# KiCad board Sofle_Loud.kicad_pcb
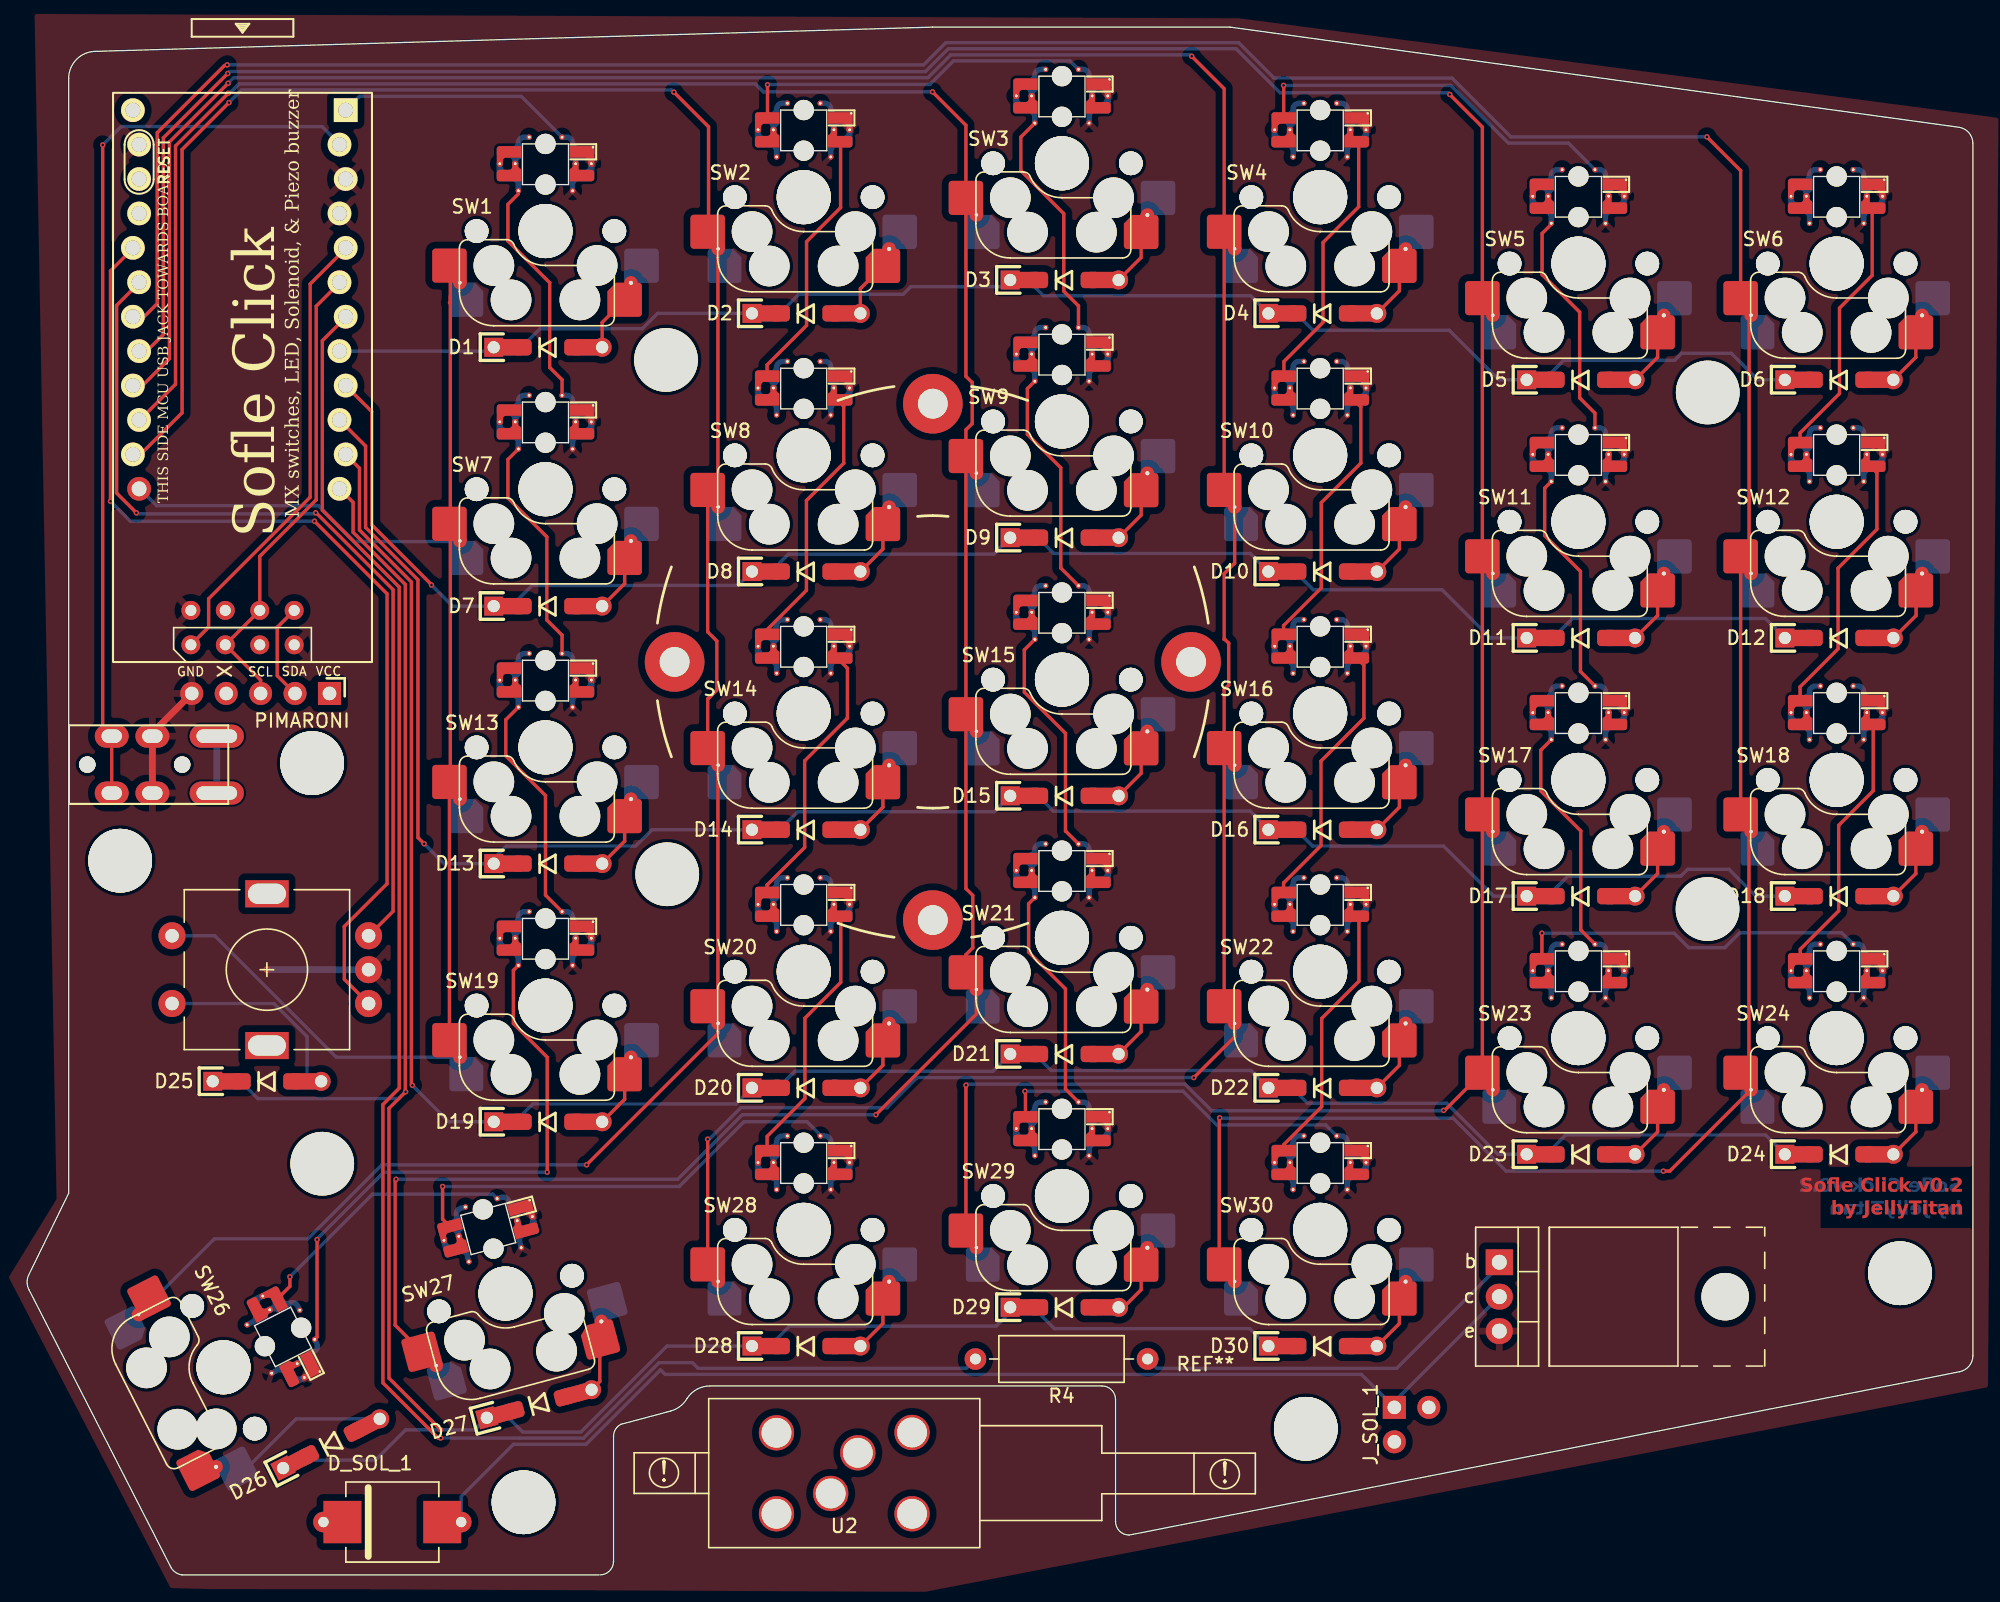
[diagram p0: board, top side]
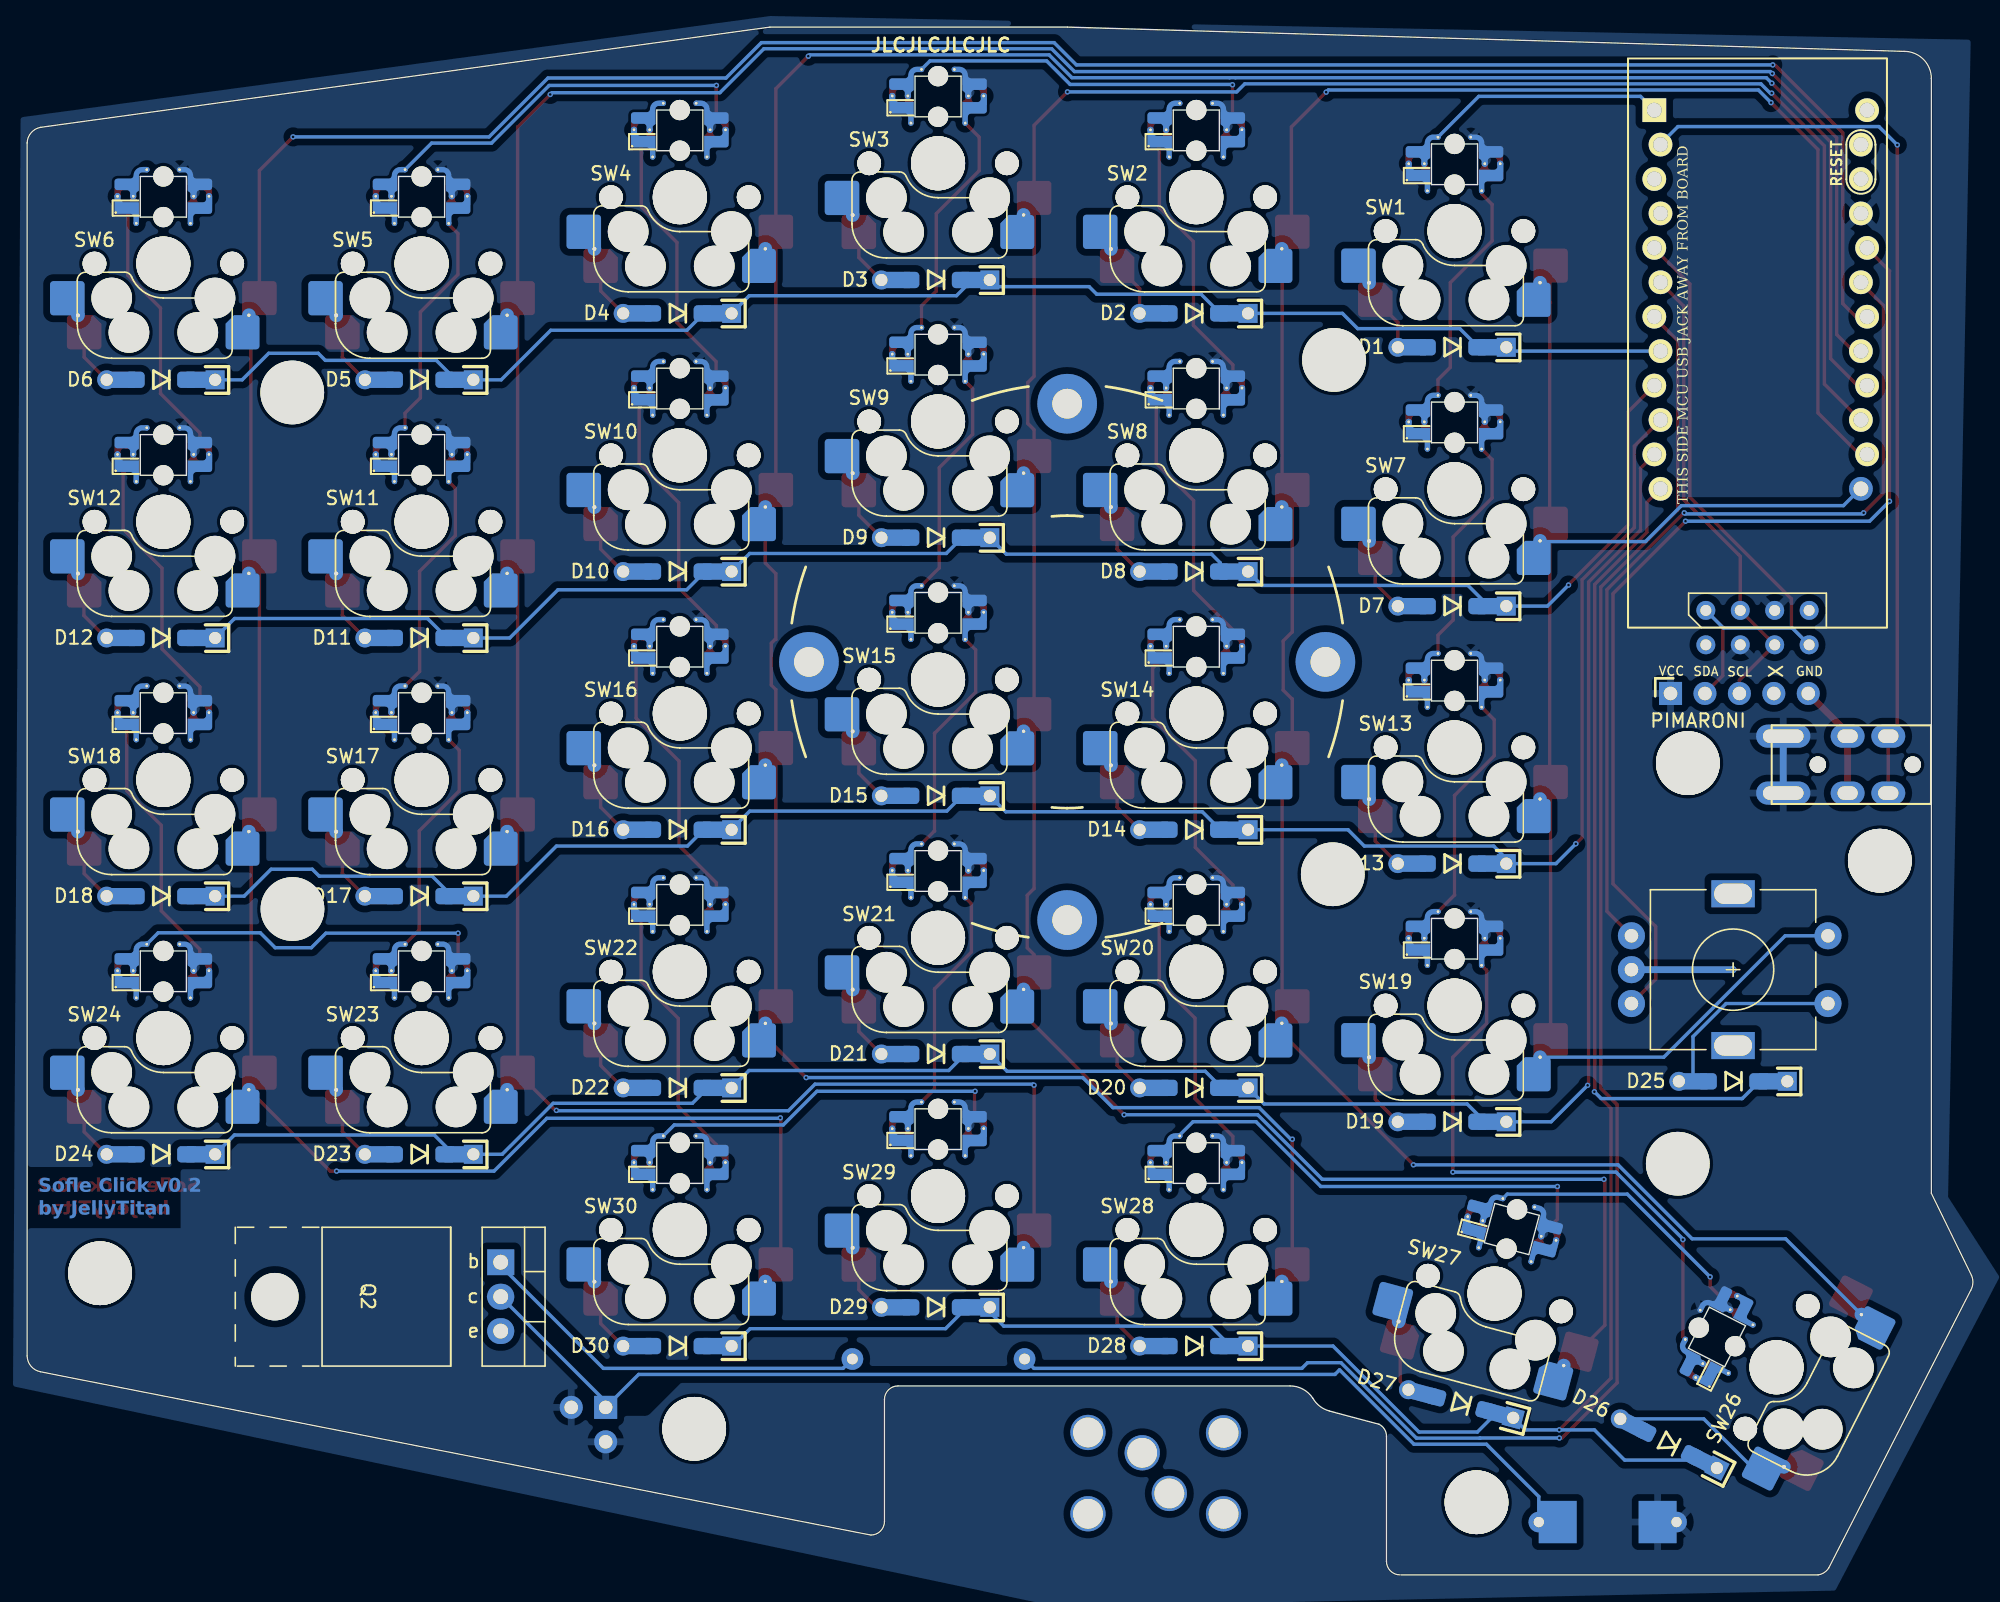
[diagram p1: board, bottom side, seen from below]

Outline 143.54 x 114.21 mm; copper layers: Top, Bottom. Coordinates in mm from the lower left corner of the outline.
Outline path: 42.18,0 11.42,0 arc(10.97,0.17) 10.63,0.52 0.16,21 arc(0,21.54) 0.1,22.1 3.07,28.16 3.07,110.42 arc(3.65,111.83) 5.07,112.42 66.79,114.21 88.74,114.21 142.57,106.81 arc(143.26,106.4) 143.54,105.66 143.54,16.16 arc(143.26,15.4) 142.56,14.99 81.29,2.94 arc(80.59,3.23) 80.29,3.94 80.29,12.94 arc(80,13.65) 79.29,13.94 50.37,13.94 arc(49.41,13.7) 48.69,13.02 arc(48.17,12.44) 47.47,12.09 43.81,11.12 arc(43.41,10.75) 43.26,10.22 43.26,1 arc(42.97,0.29) 42.26,0
Stack: Top 0.035mm / dielectric 1.51mm FR4 er 4.5 / Bottom 0.035mm

## Placement (name value [footprint] x y rotation side)
D1  D  [D_SOD-123_DO-35_Hybrid_DoubleSided_V2]  38.42 90.58 0 bottom
D2  D  [D_SOD-123_DO-35_Hybrid_DoubleSided_V2]  57.47 93.08 0 bottom
D3  D  [D_SOD-123_DO-35_Hybrid_DoubleSided_V2]  76.52 95.55 0 bottom
D4  D  [D_SOD-123_DO-35_Hybrid_DoubleSided_V2]  95.57 93.08 0 bottom
D5  D  [D_SOD-123_DO-35_Hybrid_DoubleSided_V2]  114.62 88.19 0 bottom
D6  D  [D_SOD-123_DO-35_Hybrid_DoubleSided_V2]  133.67 88.19 0 bottom
D7  D  [D_SOD-123_DO-35_Hybrid_DoubleSided_V2]  38.42 71.48 0 bottom
D8  D  [D_SOD-123_DO-35_Hybrid_DoubleSided_V2]  57.47 74.03 0 bottom
D9  D  [D_SOD-123_DO-35_Hybrid_DoubleSided_V2]  76.52 76.53 0 bottom
D10  D  [D_SOD-123_DO-35_Hybrid_DoubleSided_V2]  95.57 74.03 0 bottom
D11  D  [D_SOD-123_DO-35_Hybrid_DoubleSided_V2]  114.62 69.13 0 bottom
D12  D  [D_SOD-123_DO-35_Hybrid_DoubleSided_V2]  133.67 69.13 0 bottom
D13  D  [D_SOD-123_DO-35_Hybrid_DoubleSided_V2]  38.42 52.48 0 bottom
D14  D  [D_SOD-123_DO-35_Hybrid_DoubleSided_V2]  57.47 54.98 0 bottom
D15  D  [D_SOD-123_DO-35_Hybrid_DoubleSided_V2]  76.52 57.48 0 bottom
D16  D  [D_SOD-123_DO-35_Hybrid_DoubleSided_V2]  95.57 54.98 0 bottom
D17  D  [D_SOD-123_DO-35_Hybrid_DoubleSided_V2]  114.62 50.08 0 bottom
D18  D  [D_SOD-123_DO-35_Hybrid_DoubleSided_V2]  133.67 50.08 0 bottom
D19  D  [D_SOD-123_DO-35_Hybrid_DoubleSided_V2]  38.42 33.44 0 bottom
D20  D  [D_SOD-123_DO-35_Hybrid_DoubleSided_V2]  57.47 35.94 0 bottom
D21  D  [D_SOD-123_DO-35_Hybrid_DoubleSided_V2]  76.52 38.44 0 bottom
D22  D  [D_SOD-123_DO-35_Hybrid_DoubleSided_V2]  95.57 35.94 0 bottom
D23  D  [D_SOD-123_DO-35_Hybrid_DoubleSided_V2]  114.62 31.03 0 bottom
D24  D  [D_SOD-123_DO-35_Hybrid_DoubleSided_V2]  133.67 31.03 0 bottom
D25  D  [D_SOD-123_DO-35_Hybrid_DoubleSided_V2]  17.69 36.42 0 bottom
D26  D  [D_SOD-123_DO-35_Hybrid_DoubleSided_V2]  22.45 9.7 27 bottom
D27  D  [D_SOD-123_DO-35_Hybrid_DoubleSided_V2]  37.78 12.63 15 bottom
D28  D  [D_SOD-123_DO-35_Hybrid_DoubleSided_V2]  57.47 16.88 0 bottom
D29  D  [D_SOD-123_DO-35_Hybrid_DoubleSided_V2]  76.52 19.75 0 bottom
D30  D  [D_SOD-123_DO-35_Hybrid_DoubleSided_V2]  95.57 16.88 0 bottom
D_SOL_1  MUR340S  [MUR340S_IN4001_TH_HYBRID]  26.94 3.9 0 top
J1  Pimaroni Trackball  [Pimaroni_PinHeader_1x05_P2.54mm_Vertical]  22.31 65.04 270 top
J2  4PIN  [TRRS_or_TRS_Sofle_Click]  9.5 59.79 90 top
J3  OLED  [OLED_4Pin_DS_64x128]  15.89 90.9 0 top
J_SOL_1  Conn_01x02_Female  [PinHeader_1x02_P2.54mm_L-Shaped]  102.13 11.09 90 top
NOREF  -  [unnamed]  138.16 22.26 0 top
NOREF#2  -  [unnamed]  94.33 10.78 0 top
NOREF#3  -  [unnamed]  36.62 5.36 0 top
Q2  TIP120  [TO-220-3_Horizontal_TabUp_noHeatsink]  119.84 20.53 270 bottom
R4  1k  [R_Axial_DIN0309_L9.0mm_D3.2mm_P12.70mm_Horizontal]  82.66 15.93 180 top
REF**  -  [sofle_click_screen_plate]  15.89 80.97 0 top
REF**#2  -  [sofle_click_solenoid_plate]  86.93 15.04 0 top
REF**#3  Tenting Puck  [Tenting_Puck.kicad_mod_nocenter]  66.82 67.37 0 top
SW1  SW_PUSH_LED  [Cherry_MX_DS_Hotswap_miniE_1U]  38.24 99.16 180 top
SW2  SW_PUSH_LED  [Cherry_MX_DS_Hotswap_miniE_1U]  57.29 101.66 180 top
SW3  SW_PUSH_LED  [Cherry_MX_DS_Hotswap_miniE_1U]  76.34 104.16 180 top
SW4  SW_PUSH_LED  [Cherry_MX_DS_Hotswap_miniE_1U]  95.39 101.66 180 top
SW5  SW_PUSH_LED  [Cherry_MX_DS_Hotswap_miniE_1U]  114.44 96.76 180 top
SW6  SW_PUSH_LED  [Cherry_MX_DS_Hotswap_miniE_1U]  133.49 96.76 180 top
SW7  SW_PUSH_LED  [Cherry_MX_DS_Hotswap_miniE_1U]  38.24 80.11 180 top
SW8  SW_PUSH_LED  [Cherry_MX_DS_Hotswap_miniE_1U]  57.29 82.61 180 top
SW9  SW_PUSH_LED  [Cherry_MX_DS_Hotswap_miniE_1U]  76.34 85.11 180 top
SW10  SW_PUSH_LED  [Cherry_MX_DS_Hotswap_miniE_1U]  95.39 82.61 180 top
SW11  SW_PUSH_LED  [Cherry_MX_DS_Hotswap_miniE_1U]  114.44 77.71 180 top
SW12  SW_PUSH_LED  [Cherry_MX_DS_Hotswap_miniE_1U]  133.49 77.71 180 top
SW13  SW_PUSH_LED  [Cherry_MX_DS_Hotswap_miniE_1U]  38.24 61.06 180 top
SW14  SW_PUSH_LED  [Cherry_MX_DS_Hotswap_miniE_1U]  57.29 63.56 180 top
SW15  SW_PUSH_LED  [Cherry_MX_DS_Hotswap_miniE_1U]  76.34 66.06 180 top
SW16  SW_PUSH_LED  [Cherry_MX_DS_Hotswap_miniE_1U]  95.39 63.56 180 top
SW17  SW_PUSH_LED  [Cherry_MX_DS_Hotswap_miniE_1U]  114.44 58.66 180 top
SW18  SW_PUSH_LED  [Cherry_MX_DS_Hotswap_miniE_1U]  133.49 58.66 180 top
SW19  SW_PUSH_LED  [Cherry_MX_DS_Hotswap_miniE_1U]  38.24 42.01 180 top
SW20  SW_PUSH_LED  [Cherry_MX_DS_Hotswap_miniE_1U]  57.29 44.51 180 top
SW21  SW_PUSH_LED  [Cherry_MX_DS_Hotswap_miniE_1U]  76.34 47.01 180 top
SW22  SW_PUSH_LED  [Cherry_MX_DS_Hotswap_miniE_1U]  95.39 44.51 180 top
SW23  SW_PUSH_LED  [Cherry_MX_DS_Hotswap_miniE_1U]  114.44 39.61 180 top
SW24  SW_PUSH_LED  [Cherry_MX_DS_Hotswap_miniE_1U]  133.49 39.61 180 top
SW25  Rotary_Encoder_Switch  [RotaryEncoder_Alps_EC11E-Switch_Vertical_H20mm-keebio_modified]  17.69 44.66 180 top
SW26  SW_PUSH_LED  [Cherry_MX_DS_Hotswap_miniE_1U]  14.49 15.32 117 top
SW27  SW_PUSH_LED  [Cherry_MX_DS_Hotswap_miniE_1U]  35.29 20.76 195 top
SW28  SW_PUSH_LED  [Cherry_MX_DS_Hotswap_miniE_1U]  57.29 25.46 180 top
SW29  SW_PUSH_LED  [Cherry_MX_DS_Hotswap_miniE_1U]  76.34 27.96 180 top
SW30  SW_PUSH_LED  [Cherry_MX_DS_Hotswap_miniE_1U]  95.39 25.46 180 top
TH1  HOLE  [M2_HOLE_PCB_through_hole]  6.87 52.7 0 top
TH2  HOLE  [M2_HOLE_PCB_through_hole]  21.03 59.9 0 top
TH3  HOLE  [M2_HOLE_PCB_through_hole]  47.13 89.65 0 top
TH4  HOLE  [M2_HOLE_PCB_through_hole]  123.98 87.25 0 top
TH5  HOLE  [M2_HOLE_PCB_through_hole]  47.22 51.7 0 top
TH6  HOLE  [M2_HOLE_PCB_through_hole]  123.97 49.13 0 top
TH7  HOLE  [M2_HOLE_PCB_through_hole]  21.77 30.34 90 top
U1  -  [ProMicro_Choc_MX]  15.78 94.51 0 top
U2  Solenoid  [uxcell a14092600ux0438 solenoid]  60.28 7.51 180 top

## Library data of the parts
D_SOL_1 = -: MANUFACTURER: Taiwan Semiconductor; MAXIMUM_PACKAGE_HEIGHT: 2.62 mm; PARTREV: L2102; STANDARD: IPC-7351B
J1 = -: Description: Generic connector, single row, 01x05, script generated
J_SOL_1 = -: Description: Generic connector, single row, 01x02, script generated (kicad-library-utils/schlib/autogen/connector/)
Q2 = -: Description: 5A Ic, 60V Vce, Silicon Darlington Power NPN Transistor, TO-220
R4 = -: Description: Resistor, small symbol

## Footprints (pads in the part's own frame, mm; a bottom-side part is the same pattern mirrored in y, then rotated)
Cherry_MX_DS_Hotswap_miniE_1U
  round 1.75 hole 1.75 unplated: (-5.08,0) (-5.08,0) (5.08,0) (5.08,0)
  round 3 hole 3 unplated: (-3.81,2.54) (-2.54,5.08) (2.54,5.08) (3.81,2.54)
  rrect 1.49x0.84 smd: (-2.855,-4.09) (-2.855,-5.85)
  rrect 1.82x0.84 smd: (-2.69,-5.84) (2.69,-4.095)
  rrect 1.83x0.85 smd: (-2.685,-4.095) (2.685,-5.855)
  rect 1.38x0.84 smd: (-2.47,-4.09) (-2.47,-5.85)
  round 3.988 hole 3.988 unplated: (0,0) (0,0)
  round 1.5 hole 1.5 unplated: (0,-3.43) (0,-6.43)
  rrect 1.82x0.85 smd: (2.69,-4.095) (2.69,-5.845)
  round 0.4 hole 0.2: 1(1.2,-6.93) 2(2,-2.97) 3(-2,-2.97) 4(-1.22,-6.93)
  round 0.45 hole 0.2: 1(2.234,-4.969) 2(3.368,-4.97) 3(-3.38,-4.97) 4(-2.225,-4.97)
  custom 1.8x1.524 smd: 1(2.7,-4.095)
  custom 2.58x2.385 smd far side: 1(2.7,-5.845) 4(-2.7,-5.845)
  custom 1.8x1.525 smd: 2(2.693,-5.845)
  custom 1.805x2.425 smd far side: 2(2.7,-4.095) 3(-2.7,-4.1)
  custom 1.81x1.362 smd: 3(-2.705,-5.845)
  custom 1.81x1.525 smd: 4(-2.7,-4.095)
  rrect 2.55x2.53 smd far side: 5(-7.085,2.555)
  round 1 hole 0.3: 5(-6.3,3.82)
  rrect 2.55x2.52 smd: 5(-5.842,5.07) 6(7.085,2.55)
  rrect 2.5x2.52 smd far side: 6(5.842,5.07)
  round 1 hole 0.25: 6(6.31,3.81)
D_SOD-123_DO-35_Hybrid_DoubleSided_V2
  rect 1.4x1.4 hole 0.9: 1(-4,0)
  rect 1.6x1.2 smd far side: 1(-2.75,0)
  rect 1.6x1.2 smd: 1(-2.7,0)
  rrect 1.5x1.2 smd: 1(-1.95,0)
  rrect 1.4x1.2 smd far side: 1(-1.9,0) 2(1.9,0)
  rrect 1.4x1.2 smd: 2(1.9,0)
  rect 2.12x1.2 smd: 2(2.96,0)
  rect 2.14x1.2 smd far side: 2(2.97,0)
  round 1.4 hole 0.9: 2(4,0)
M2_HOLE_PCB_through_hole
  round 4.7 hole 4.7 unplated: (0,0)
MUR340S_IN4001_TH_HYBRID
  rect 2.795x3.12 smd: A(3.683,0) C(-3.683,0)
  rect 2.795x3.12 smd far side: A(3.683,0) C(-3.683,0)
  round 1.524 hole 0.762: A(5.08,0) C(-5.08,0)
OLED_4Pin_DS_64x128
  round 1.397 hole 0.813: 1(-3.81,-22.27) 1(3.81,-19.73) 2(-1.27,-22.27) 2(1.27,-19.73) 3(-1.27,-19.73) 3(1.27,-22.27) 4(-3.81,-19.73) 4(3.81,-22.27)
Pimaroni_PinHeader_1x05_P2.54mm_Vertical
  rect 1.7x1.7 hole 1: 1(0,0)
  oval 1.7x1.7 hole 1: 2(0,-2.54) 3(0,-5.08) 4(0,-7.62) 5(0,-10.16)
PinHeader_1x02_P2.54mm_L-Shaped
  rect 1.7x1.7 hole 1: 1(1.27,1.27)
  oval 1.7x1.7 hole 1: 2(-1.27,1.27) 2(1.27,-1.27)
ProMicro_Choc_MX
  rect 1.753x1.753 hole 1.092: 1(7.719,13.574)
  round 1.753 hole 1.092: 2(7.262,11.034) 3(7.719,8.494) 4(7.262,5.954) 5(7.719,3.414) 6(7.262,0.874) 7(7.719,-1.666) 8(7.262,-4.206) 9(7.719,-6.746) 10(7.262,-9.286) 11(7.719,-11.826) 12(7.262,-14.366) 13(-7.521,-14.366) 14(-7.978,-11.826) 15(-7.521,-9.286) 16(-7.978,-6.746) 17(-7.521,-4.206) 18(-7.978,-1.666) 19(-7.521,0.874) 20(-7.978,3.414) 21(-7.521,5.954) 22(-7.521,8.494) 23(-7.521,11.034) 24(-7.978,13.574)
  round 1.524 hole 0.813: 23(-7.521,11.034)
R_Axial_DIN0309_L9.0mm_D3.2mm_P12.70mm_Horizontal
  round 1.6 hole 0.8: 1(0,0)
  oval 1.6x1.6 hole 0.8: 2(12.7,0)
RotaryEncoder_Alps_EC11E-Switch_Vertical_H20mm-keebio_modified
  round 2 hole 1: A(-7.5,2.5) B(-7.5,-2.5) C(-7.5,0) S1(7,-2.5) S2(7,2.5)
  rect 3.2x2 hole 2.8x1.5: MP(0,5.6) MP(0,-5.6)
sofle_click_screen_plate
  round 4.7 hole 4.7 unplated: (-9.025,-28.273) (5.136,-21.071)
sofle_click_solenoid_plate
  round 4.7 hole 4.7 unplated: (-50.308,-9.685) (7.402,-4.265) (51.232,7.215)
Tenting_Puck.kicad_mod_nocenter
  round 4.4 hole 2.2: 1(-19.05,0) 1(0,19.05) 1(0,-19.05) 1(19.05,0)
TO-220-3_Horizontal_TabUp_noHeatsink
  oval 3.5x3.5 hole 3.5 unplated: (0,-5.423)
  rect 1.905x2 hole 1.1: 1(-2.54,11.238)
  oval 1.905x2 hole 1.1: 2(0,11.238) 3(2.54,11.238)
TRRS_or_TRS_Sofle_Click
  round 1.2 hole 1.2 unplated: (0,5.062) (0,5.062) (0,-1.938) (0,-1.938)
  oval 1.7x4 hole 1x3: 1(-2.1,-4.487) 1(2.1,-4.487)
  oval 1.7x2.5 hole 1x1.5: 2(-2.1,0.263) 2(2.1,0.263) 3(-2.1,3.263) 3(2.1,3.263)
unnamed
  round 4.7 hole 4.7 unplated: (0,0)
uxcell a14092600ux0438 solenoid
  round 2.6 hole 2.2 unplated: (-5,3) (-5,-3) (-1,-1.5) (1,1.5) (5,3) (5,-2.975)

## Nets
GND: J1.5 J2.2 J3.4 Q2.3 SW1.3 SW2.3 SW3.3 SW4.3 SW5.3 SW6.3 SW7.3 SW8.3 SW9.3 SW10.3 SW11.3 SW12.3 SW13.3 SW14.3 SW15.3 SW16.3 SW17.3 SW18.3 SW19.3 SW20.3 SW21.3 SW22.3 SW23.3 SW24.3 SW25.C SW26.3 SW27.3 SW28.3 SW29.3 SW30.3 U1.3 U1.4 U1.23
VCC: D_SOL_1.C J1.1 J2.1 J3.3 J_SOL_1.2 SW1.1 SW2.1 SW3.1 SW4.1 SW5.1 SW6.1 SW7.1 SW8.1 SW9.1 SW10.1 SW11.1 SW12.1 SW13.1 SW14.1 SW15.1 SW16.1 SW17.1 SW18.1 SW19.1 SW20.1 SW21.1 SW22.1 SW23.1 SW24.1 SW26.1 SW27.1 SW28.1 SW29.1 SW30.1 U1.21
col0: SW6.6 SW12.6 SW18.6 SW24.6 SW30.6 U1.18
col1: SW5.6 SW11.6 SW17.6 SW23.6 SW29.6 U1.17
col2: SW4.6 SW10.6 SW16.6 SW22.6 SW28.6 U1.16
col3: SW3.6 SW9.6 SW15.6 SW21.6 SW27.6 U1.15
col4: SW2.6 SW8.6 SW14.6 SW20.6 SW26.6 U1.14
DATA: J2.3 U1.2
ENCA: SW25.A U1.20
ENCB: SW25.B U1.19
LED: SW1.4 U1.1
row0: D1.1 D2.1 D3.1 D4.1 D5.1 D6.1 U1.8
row1: D7.1 D8.1 D9.1 D10.1 D11.1 D12.1 U1.9
row2: D13.1 D14.1 D15.1 D16.1 D17.1 D18.1 U1.10
row3: D19.1 D20.1 D21.1 D22.1 D23.1 D24.1 U1.11
row4: D25.1 D26.1 D27.1 D28.1 D29.1 D30.1 U1.12
SCL: J1.3 J3.2 U1.6
SDA: J1.2 J3.1 U1.5
SOLENOID: R4.2 U1.7
SW25A: SW1.6 SW7.6 SW13.6 SW19.6 SW25.S1 U1.13
SW25B: D25.2 SW25.S2
Net-(D1-A): D1.2 SW1.5
Net-(D2-A): D2.2 SW2.5
Net-(D3-A): D3.2 SW3.5
Net-(D4-A): D4.2 SW4.5
Net-(D5-A): D5.2 SW5.5
Net-(D6-A): D6.2 SW6.5
Net-(D7-A): D7.2 SW7.5
Net-(D8-A): D8.2 SW8.5
Net-(D9-A): D9.2 SW9.5
Net-(D10-A): D10.2 SW10.5
Net-(D11-A): D11.2 SW11.5
Net-(D12-A): D12.2 SW12.5
Net-(D13-A): D13.2 SW13.5
Net-(D14-A): D14.2 SW14.5
Net-(D15-A): D15.2 SW15.5
Net-(D16-A): D16.2 SW16.5
Net-(D17-A): D17.2 SW17.5
Net-(D18-A): D18.2 SW18.5
Net-(D19-A): D19.2 SW19.5
Net-(D20-A): D20.2 SW20.5
Net-(D21-A): D21.2 SW21.5
Net-(D22-A): D22.2 SW22.5
Net-(D23-A): D23.2 SW23.5
Net-(D24-A): D24.2 SW24.5
Net-(D26-A): D26.2 SW26.5
Net-(D27-A): D27.2 SW27.5
Net-(D28-A): D28.2 SW28.5
Net-(D29-A): D29.2 SW29.5
Net-(D30-A): D30.2 SW30.5
Net-(J_SOL_1-Pin_1): D_SOL_1.A J_SOL_1.1 Q2.2
Net-(Q2-B): Q2.1 R4.1
Net-(SW1B-DOUT): SW1.2 SW7.4
Net-(SW2B-DIN): SW2.4 SW8.2
Net-(SW2B-DOUT): SW2.2 SW3.4
Net-(SW3B-DOUT): SW3.2 SW9.4
Net-(SW4B-DOUT): SW4.2 SW5.4
Net-(SW10B-DIN): SW10.4 SW16.2
Net-(SW10B-DOUT): SW4.4 SW10.2
Net-(SW11B-DIN): SW5.2 SW11.4
Net-(SW11B-DOUT): SW11.2 SW17.4
Net-(SW12B-DIN): SW12.4 SW18.2
Net-(SW12B-DOUT): SW6.4 SW12.2
Net-(SW13B-DIN): SW7.2 SW13.4
Net-(SW13B-DOUT): SW13.2 SW19.4
Net-(SW14B-DIN): SW14.4 SW20.2
Net-(SW14B-DOUT): SW8.4 SW14.2
Net-(SW15B-DIN): SW9.2 SW15.4
Net-(SW15B-DOUT): SW15.2 SW21.4
Net-(SW16B-DIN): SW16.4 SW22.2
Net-(SW17B-DOUT): SW17.2 SW23.4
Net-(SW18B-DIN): SW18.4 SW24.2
Net-(SW19B-DOUT): SW19.2 SW26.4
Net-(SW20B-DIN): SW20.4 SW28.2
Net-(SW21B-DOUT): SW21.2 SW29.4
Net-(SW22B-DIN): SW22.4 SW30.2
Net-(SW23B-DOUT): SW23.2 SW24.4
Net-(SW26B-DOUT): SW26.2 SW27.4
Net-(SW27B-DOUT): SW27.2 SW28.4
Net-(SW29B-DOUT): SW29.2 SW30.4

Pads without a net: J1 4; REF**#3 1; SW6 2; SW25 MP; U1 22 24

## Via types
v1: diameter 0.4, hole 0.2, Top to Bottom, 38 vias
v2: diameter 0.5, hole 0.3, Top to Bottom, 1 via

## Routing (per net, layer and track width the routed paths; a pad name or vN(x,y) marks a point on that pad's centre or on a via; arc(x,y) is an arc through that point)
GND: length 15.9
  Top w0.5: 98.09,69.18 98.1,69.17 ; 136.28,83.41 136.19,83.33 ; J2.2 J2.2 ; 9.24,62.13 J1.5
  Bottom w0.5: SW25.C v2(17.69,44.66)
VCC: length 4.2
  Bottom w0.5: J2.1 J2.1
col0: length 257.4
  Top w0.25: v1(123.92,106.11) 126.41,103.62 SW6.6 ; 127.02,54.69 127.02,35.96 ; 127.03,74.05 127.03,92.8 ; v1(87.97,33.73) 87.94,33.69 87.94,23.28 ; SW12.6 SW18.6 ; SW24.6 121.17,29.79 v1(120.71,29.79) ; 14.56,111.38 9.6,106.42 9.6,93.81 8.63,92.84 8.15,92.84
  Bottom w0.25: v1(120.71,29.79) 109.1,29.79 105.2,33.69 88.01,33.69 v1(87.97,33.73) ; v1(123.92,106.11) 109.46,106.11 105.12,110.45 91.99,110.45 89.37,113.06 67.78,113.06 66.13,111.42 v1(14.76,111.42)
col1: length 239.4
  Top w0.25: v1(104.95,109.24) 107.36,106.83 SW5.6 SW11.6 SW17.6 SW23.6 104.57,34.28 v1(104.49,34.28) ; SW29.6 69.26,36.13 v1(69.26,36.14) ; v1(14.8,110.79) 10.05,106.04 10.05,91.53 9.06,90.54 8.59,90.54
  Bottom w0.25: v1(14.8,110.79) 14.94,110.93 66.28,110.93 67.96,112.61 89.19,112.61 92.43,109.37 104.82,109.37 v1(104.95,109.24) ; v1(69.26,36.14) 69.34,36.21 85.42,36.21 87.38,34.25 104.47,34.25 v1(104.49,34.28)
col2: length 222.1
  Top w0.25: v1(14.83,110.07) 10.5,105.74 10.5,89.75 8.51,87.76 ; v1(85.91,112.06) 88.31,109.67 88.31,80.06 ; v1(86.07,36.7) 89.08,39.71 SW22.6 ; 88.31,61.01 88.31,41.96 ; SW16.6 88.31,60.52 88.31,65.33 88.64,65.66 88.64,68.75 88.36,69.03 88.31,69.03 88.31,73.88 89.08,74.66 SW10.6 ; 50.21,22.05 v1(50.21,32.15)
  Bottom w0.25: v1(85.91,112.06) 85.81,112.16 68.15,112.16 66.46,110.48 54.84,110.48 54.84,110.48 54.4,110.48 54.4,110.48 15.24,110.48 v1(14.83,110.07) ; v1(86.07,36.7) 65.66,36.7 63.45,34.48 52.65,34.48 50.32,32.15 v1(50.21,32.15)
col3: length 208.9
  Top w0.25: v1(62.61,33.95) 70.03,41.38 SW21.6 ; v1(66.79,109.43) 69.26,106.97 SW3.6 69.26,88.44 69.72,87.98 69.72,84.96 69.26,84.49 SW9.6 SW15.6 69.26,50.64 69.76,50.14 69.76,46.27 69.26,45.77 SW21.6 ; v1(27.22,29.19) 27.15,29.12 27.15,18.43 29.1,16.47 ; v1(14.84,109.34) 10.95,105.44 10.95,87.86 8.52,85.44
  Bottom w0.25: 14.95,109.34 15.64,110.02 53.72,110.02 54.31,109.43 v1(66.79,109.43) ; v1(62.61,33.95) 52.76,33.95 48,29.19 v1(27.22,29.19)
col4: length 184.6
  Top w0.25: SW8.6 50.21,69.58 50.88,68.91 50.88,65.29 50.22,64.63 50.21,64.63 SW14.6 ; SW20.6 50.98,39.97 v1(41.27,30.26) ; 8.36,82.68 11.43,85.75 11.43,105.18 v1(14.89,108.64) ; 50.96,40.72 50.96,59.73 ; v1(47.71,109.41) 50.27,106.85 50.27,98.56 SW2.6 ; 50.96,78.82 50.96,97.83
  Bottom w0.25: SW26.6 13.81,24.8 20.71,24.8 26.17,30.26 v1(41.27,30.26) ; v1(47.71,109.41) 47.55,109.57 15.82,109.57 v1(14.89,108.64)
DATA: length 65.8
  Top w0.25: v1(5.58,105.51) 5.58,62.56 ; J2.3 J2.3
  Bottom w0.25: 23.09,105.54 21.76,106.87 6.93,106.87 v1(5.58,105.51)
ENCA: length 74.9
  Top w0.25: 7.85,97.92 6.15,96.22 v1(6.15,79.22) ; SW25.A 23.4,43.95 23.4,47.85 26.55,51 26.55,72.4 v1(21.2,77.75)
  Bottom w0.25: v1(21.2,77.75) 7.62,77.75 v1(6.15,79.22)
ENCB: length 66
  Top w0.25: v1(21.29,78.37) 21.32,78.37 27,72.69 27,48.97 SW25.B ; v1(8.06,78.37) 6.6,79.83 6.6,93.68 8.31,95.38
  Bottom w0.25: v1(21.29,78.37) 21.21,78.29 8.14,78.29 v1(8.06,78.37)
LED: length 17.6
  Bottom w0.25: SW1.4 36.45,109.1 24.52,109.1 U1.1
row0: length 103.6
  Bottom w0.25: D1.1 37.85,91.96 45.38,91.96 46.51,93.08 D2.1 ; D5.1 108.57,88.19 104.91,91.84 94.87,91.84 D4.1 ; D4.1 90.27,94.39 74.98,94.39 D3.1 ; 34.14,90.3 U1.8 ; 72.03,95.06 65.2,95.06 64.64,94.5 56.94,94.5 D2.1 ; D5.1 113.36,89.62 121.54,89.62 122.06,90.14 125.72,90.14 127.68,88.19 D6.1
row1: length 115.1
  Top w0.25: v1(29.83,73.04) 29.83,73.07 25.42,77.48 25.42,85.84 U1.9
  Bottom w0.25: D12.1 128.24,70.57 114,70.57 112.57,69.13 ; D7.1 37.25,73.01 52.45,73.01 D8.1 ; v1(29.83,73.04) 31.39,71.48 D7.1 ; 93.62,73.95 94.88,72.69 104.38,72.69 107.94,69.13 D11.1 ; D8.1 55.52,74.68 56.16,75.32 71.31,75.32 D9.1 ; D10.1 90.24,75.37 75.74,75.37 D9.1
row2: length 134.8
  Top w0.25: v1(29.29,53.95) 28.83,54.41 28.83,73.43 24.97,77.29 24.97,83.29 U1.10
  Bottom w0.25: D14.1 56.85,56.31 71.35,56.31 D15.1 ; D17.1 112.67,50.57 113.66,51.56 121.99,51.56 122.5,52.07 125.54,52.07 127.53,50.08 D18.1 ; D14.1 46.1,54.98 44.89,53.78 35.35,53.78 34.42,52.85 ; D17.1 108.19,50.08 104.49,53.78 94.83,53.78 D16.1 ; D15.1 75.7,56.36 90.23,56.36 91.57,55.02 ; v1(29.29,53.95) 30.75,52.48 D13.1
row3: length 149.1
  Top w0.25: U1.11 24.52,81.66 24.52,77.1 28.35,73.27 28.35,36.2 v1(28.42,36.12)
  Bottom w0.25: D22.1 90.29,37.22 75.55,37.22 74.57,38.2 ; D24.1 128.25,32.46 113.5,32.46 112.08,31.03 ; D21.1 71.25,37.16 56.63,37.16 55.52,36.05 ; D23.1 108.5,31.03 104.73,34.8 94.46,34.8 93.62,35.64 ; 36,33.44 37.31,34.75 52.29,34.75 D20.1 ; D19.1 31.11,33.44 v1(28.42,36.12)
row4: length 159.9
  Top w0.25: U1.12 24.05,79.13 24.05,76.93 27.9,73.08 27.9,35.67 v1(27.92,35.65) 26.7,34.43 26.7,14.51 v1(30.51,10.7)
  Bottom w0.25: 74.57,19.38 75.79,18.17 90.2,18.17 91.49,16.88 ; D28.1 56.24,18.36 71.49,18.36 72.52,19.38 ; v1(27.92,35.65) 27.42,35.15 17.01,35.15 D25.1 ; D28.1 47.21,16.88 40.86,10.54 36.56,10.54 D27.1 ; D26.1 25.69,8.47 27.92,10.7 v1(30.51,10.7) 33.02,10.7 D27.1
SCL: length 34.9
  Top w0.25: J1.3 17.23,66.02 J3.2 J3.2 17.16,75.16 21.33,79.33 21.33,93.62 23.09,95.38
SDA: length 49.9
  Top w0.25: J1.2 18.45,66.36 18.45,69.92 J3.1 ; 23.55,97.92 20.88,95.25 20.88,79.52 13.39,72.03 13.39,69.94 J3.1
  Bottom w0.25: J3.1 13.32,69.87 18.4,69.87 J3.1
SOLENOID: length 130.4
  Top w0.25: 23.55,92.84 21.78,91.07 21.78,78.56 27.45,72.89 27.45,35.91 26.25,34.71 26.25,14.17 30.32,10.1 v1(30.51,10.1)
  Bottom w0.25: R4.2 69.27,15.24 49.5,15.24 49.08,15.66 46.62,15.66 41.05,10.09 36.37,10.09 36.36,10.1 v1(30.51,10.1)
SW25A: length 107.4
  Top w0.25: 31.22,94.34 31.22,93.81 31.16,93.88 ; 31.16,39.47 31.16,57.24 ; 31.22,96.56 31.22,57.72
  Bottom w0.25: SW25.S1 13.85,47.16 22.81,38.2 SW19.6 ; 31.93,76.25 24.15,76.25 21.5,78.9 9.55,78.9 8.31,80.14
SW25B: length 14.3
  Bottom w0.25: SW25.S2 18.21,42.16 20.65,39.72 D25.2
Net-(D1-A): length 4.2
  Top w0.25: 44.08,94.08 42.42,92.42 D1.2
Net-(D2-A): length 4.2
  Top w0.25: D2.2 61.47,94.92 63.13,96.58
Net-(D3-A): length 4.2
  Top w0.25: D3.2 82.18,97.21 82.18,99.08
Net-(D4-A): length 4.2
  Top w0.25: D4.2 101.23,94.75 101.23,96.58
Net-(D5-A): length 4.2
  Top w0.25: D5.2 120.28,89.85 120.28,91.68
Net-(D6-A): length 4.2
  Top w0.25: 139.33,91.68 139.33,89.85 D6.2
Net-(D7-A): length 4.2
  Top w0.25: D7.2 44.08,73.15 44.08,74.98
Net-(D8-A): length 4.2
  Top w0.25: 63.13,77.53 63.13,75.7 D8.2
Net-(D9-A): length 4.2
  Top w0.25: 82.18,80.03 82.18,78.2 D9.2
Net-(D10-A): length 4.2
  Top w0.25: D10.2 101.23,75.7 101.23,77.53
Net-(D11-A): length 4.2
  Top w0.25: 120.28,72.63 120.28,70.8 D11.2
Net-(D12-A): length 4.2
  Top w0.25: 139.35,72.61 139.35,70.79 137.7,69.13
Net-(D13-A): length 4.2
  Top w0.25: 44.08,55.98 44.08,54.15 D13.2
Net-(D14-A): length 4.2
  Top w0.25: D14.2 63.13,56.65 63.13,58.48
Net-(D15-A): length 4.2
  Top w0.25: 82.18,60.98 82.18,59.15 D15.2
Net-(D16-A): length 4.2
  Top w0.25: D16.2 101.23,56.65 101.23,58.48
Net-(D17-A): length 4.2
  Top w0.25: D17.2 120.28,51.75 120.28,53.58
Net-(D18-A): length 4.2
  Top w0.25: D18.2 139.33,51.75 139.33,53.58
Net-(D19-A): length 4.2
  Top w0.25: D19.2 44.08,35.1 44.08,36.93
Net-(D20-A): length 4.2
  Top w0.25: D20.2 63.13,37.6 63.13,39.43
Net-(D21-A): length 4.2
  Top w0.25: 82.18,41.93 82.18,40.1 D21.2
Net-(D22-A): length 4.2
  Top w0.25: 101.23,39.43 101.23,37.6 D22.2
Net-(D23-A): length 4.2
  Top w0.25: 120.28,34.53 120.28,32.7 D23.2
Net-(D24-A): length 4.2
  Top w0.25: D24.2 139.33,32.7 139.33,34.53
Net-(D26-A): length 11.3
  Bottom w0.25: 16.19,7.85 19.85,11.51 D26.2
Net-(D27-A): length 4
  Top w0.25: 42.25,17.37 42.25,14.27 D27.2
Net-(D28-A): length 4.2
  Top w0.25: D28.2 63.13,18.55 63.13,20.38
Net-(D29-A): length 4.2
  Top w0.25: 82.18,22.88 82.18,21.05 80.52,19.38
Net-(D30-A): length 4.2
  Top w0.25: D30.2 101.23,18.55 101.23,20.38
Net-(J_SOL_1-Pin_1): length 88
  Bottom w0.25: D_SOL_1.A 32.02,5.78 35.88,9.64 41.23,9.64 46.72,15.13 47.06,14.79 98.43,14.79 J_SOL_1.1 100.86,12.79 Q2.2 109.5,20.53
Net-(Q2-B): length 29.6
  Bottom w0.25: R4.1 83.35,15.24 101.03,15.24 108.6,22.81 Q2.1
Net-(SW1B-DOUT): length 16.8
  Top w0.25: SW7.4 39.46,88.19 38.55,89.1 38.55,95.35 35.47,98.44 35.47,101.12 36.24,101.9
Net-(SW2B-DIN): length 19.5
  Top w0.25: 60.01,105.51 60.01,100.89 57.5,98.38 57.5,92.2 54.59,89.29 54.59,88.23
Net-(SW2B-DOUT): length 26.6
  Top w0.25: 54.62,107.31 v1(54.62,109.95)
  Bottom w0.25: SW3.4 76.94,111.72 68.33,111.72 66.6,109.98 54.65,109.98 v1(54.62,109.95)
Net-(SW3B-DOUT): length 17.3
  Top w0.25: SW9.4 77.56,93.64 76.47,94.73 76.47,100.45 73.31,103.61 73.31,106.1 SW3.2
Net-(SW4B-DOUT): length 28.2
  Top w0.25: 92.7,107.28 92.7,109.9 v1(92.69,109.91)
  Bottom w0.25: v1(92.69,109.91) 105.03,109.91 109.28,105.65 113.7,105.65 SW5.4
Net-(SW10B-DIN): length 19.8
  Top w0.25: 92.69,69.19 92.69,70.05 95.47,72.83 95.47,79.12 98.39,82.04 98.39,86.19 98.09,86.48
Net-(SW10B-DOUT): length 19.6
  Top w0.25: 98.09,105.53 98.23,105.39 98.23,100.95 95.6,98.32 95.6,92.42 92.72,89.53 92.72,88.23
Net-(SW11B-DIN): length 17
  Top w0.25: SW11.4 115.66,85.72 114.53,86.85 114.53,93.18 111.76,95.95 111.76,98.98 112.44,99.66 SW5.2
Net-(SW11B-DOUT): length 16.8
  Top w0.25: SW11.2 111.95,80.19 111.95,76.69 114.59,74.05 114.59,66.66 SW17.4
Net-(SW12B-DIN): length 19.8
  Top w0.25: 136.19,81.58 136.46,81.31 136.46,77.15 133.59,74.28 133.59,68.33 130.79,65.53 130.79,64.28
Net-(SW12B-DOUT): length 19.4
  Top w0.25: 136.11,100.56 136.11,95.89 133.7,93.48 133.7,87.17 130.79,84.26 130.79,83.33
Net-(SW13B-DIN): length 17.1
  Top w0.25: SW7.2 35.47,82.3 35.47,79.46 38.34,76.59 38.34,70.46 39.46,69.34 SW13.4
Net-(SW13B-DOUT): length 17.2
  Top w0.25: SW13.2 35.31,63.1 35.31,60.44 38.24,57.51 38.24,50.16 SW19.4
Net-(SW14B-DIN): length 20
  Top w0.25: 59.99,67.42 60.52,66.9 60.52,63.22 57.36,60.07 57.36,53.68 54.59,50.91 54.59,50.12
Net-(SW14B-DOUT): length 20.1
  Top w0.25: 54.59,69.75 54.59,69.41 ; 54.59,69.75 57.49,72.65 57.49,79.28 60.24,82.03 60.24,82.03 60.24,86.23 59.99,86.48 ; 54.59,69.75 54.59,69.19
Net-(SW15B-DIN): length 16.9
  Top w0.25: SW15.4 76.25,74.3 76.25,81.7 73.79,84.16 73.79,87.53 SW9.2
Net-(SW15B-DOUT): length 17.1
  Top w0.25: SW21.4 76.61,54.89 76.6,54.89 76.6,62.1 73.57,65.14 73.57,68.25 SW15.2
Net-(SW16B-DIN): length 19.9
  Top w0.25: 92.69,50.13 92.69,51.06 95.45,53.82 95.45,60.05 98.62,63.22 98.62,67.13 98.31,67.44
Net-(SW17B-DOUT): length 17.1
  Top w0.25: SW17.2 111.67,60.85 111.67,57.84 114.61,54.9 114.61,47.59 SW23.4
Net-(SW18B-DIN): length 19.5
  Top w0.25: 130.81,45.22 130.81,46.16 133.64,49 133.64,55.31 136.19,57.86 136.19,62.52
Net-(SW19B-DOUT): length 42.9
  Top w0.25: v1(38.36,29.72) 38.37,29.73 38.37,38.19 35.87,40.69 35.87,44.61 SW19.2 ; SW26.4 21.39,17.55 21.39,24.74 v1(21.39,24.74)
  Bottom w0.25: v1(21.39,24.74) 21.39,24.79 26.33,29.72 v1(38.36,29.72)
Net-(SW20B-DIN): length 19.7
  Top w0.25: 54.59,31.08 54.59,32.36 57.38,35.15 57.38,41.08 60.02,43.72 60.02,48.58
Net-(SW21B-DOUT): length 16.8
  Top w0.25: SW29.4 76.6,35.85 76.6,43.24 73.88,45.96 73.88,49.52 SW21.2
Net-(SW22B-DIN): length 19.6
  Top w0.25: 98.12,48.36 98.25,48.22 98.25,43.81 95.5,41.06 95.5,34.55 92.72,31.77 92.72,31.06
Net-(SW23B-DOUT): length 26.3
  Top w0.25: 111.75,45.22 v1(111.75,47.35)
  Bottom w0.25: SW24.4 133.87,47.38 126.34,47.38 125.24,46.28 122.57,46.28 121.5,47.35 v1(111.75,47.35)
Net-(SW26B-DOUT): length 21
  Top w0.25: v1(19.38,21.99) 19.38,21.28 18.68,20.58 SW26.2
  Bottom w0.25: v1(19.38,21.99) 25.49,28.1 34.35,28.1 SW27.4
Net-(SW27B-DOUT): length 33.6
  Top w0.25: v1(30.65,28.66) 30.65,26.24 31.32,25.57
  Bottom w0.25: v1(30.65,28.66) 48.1,28.66 52.88,33.44 57.53,33.44 58.49,32.48
Net-(SW29B-DOUT): length 26.3
  Top w0.25: SW29.2 73.65,35.65 v1(73.61,35.69)
  Bottom w0.25: v1(73.61,35.69) 85.27,35.69 87.76,33.2 95.8,33.2 SW30.4

## Copper pours and planes (outline as drawn; the poured copper is in the pictures)
GND on Top: -1.36,21.96 10.58,-0.97 13.66,-1.05 24.67,-1.06 66.23,-1.25 144.65,13.85 145.43,107.51 89.39,114.86 0.55,115.18 2.17,27.73
VCC on Bottom: -1.97,21.98 10.15,-1.16 23.62,-1.43 67.45,-2.37 144.58,13.92 144.02,107.55 88.68,115.03 0.16,113.28 1.83,27.89

## Text on the board
Bottom: Sofle Click v0.2 / by JellyTitan
B.Silkscreen: RESET | JLCJLCJLCJLC | THIS SIDE MCU USB JACK AWAY FROM BOARD
User.Eco1: s26 | s27 | s1 | s7 | s13 | s19 | s2 | s14 | s20 | s28 | s8 | s21 | s3 | s15 | s9 | s29 | s16 | s22 | s30 | s4 | s10 | s11 | s5 | s17 | s23 | s12 | s6 | s18 | s24
Top: Lessons learned/TODO 5-22-23: / Diode is under keyplate, harder to solder. Can it go elsewhere? / Soleniod jack is at a dumb spot. it sticks out either way. tuck it up under so you can use dupont connectors. / The aluminum finish is weird where you tried to go {dblquote}no silks at all{dblquote}. Maybe a primer? Just do normal stuff / The USB-c promicro sticks out farther than micro usb. / Broke off microUSB promicro. Only use USB-C. See line above. / The 4 holes in the keyplate need to be smaller, otherwise the posts go through, and that sucks. / Make a hole in the bottom plate for the tenting puck to recess into. | Sofle Click v0.2 / by JellyTitan
F.Silkscreen: RESET | THIS SIDE MCU USB JACK TOWARDS BOARD | MX switches, LED, Solenoid, & Piezo buzzer | Sofle Click
